# Altium PCB Wall_Following_Robot_PCB.PcbDoc (part 2 of 2)
Units mm, origin at the board's own origin, x right, y up, seen from the top; angles counter-clockwise.
Board outline 197.92 x 110 mm, 2 copper layers (Top Layer, Bottom Layer); 215 components, 150 nets, 648 pads, 191 vias.
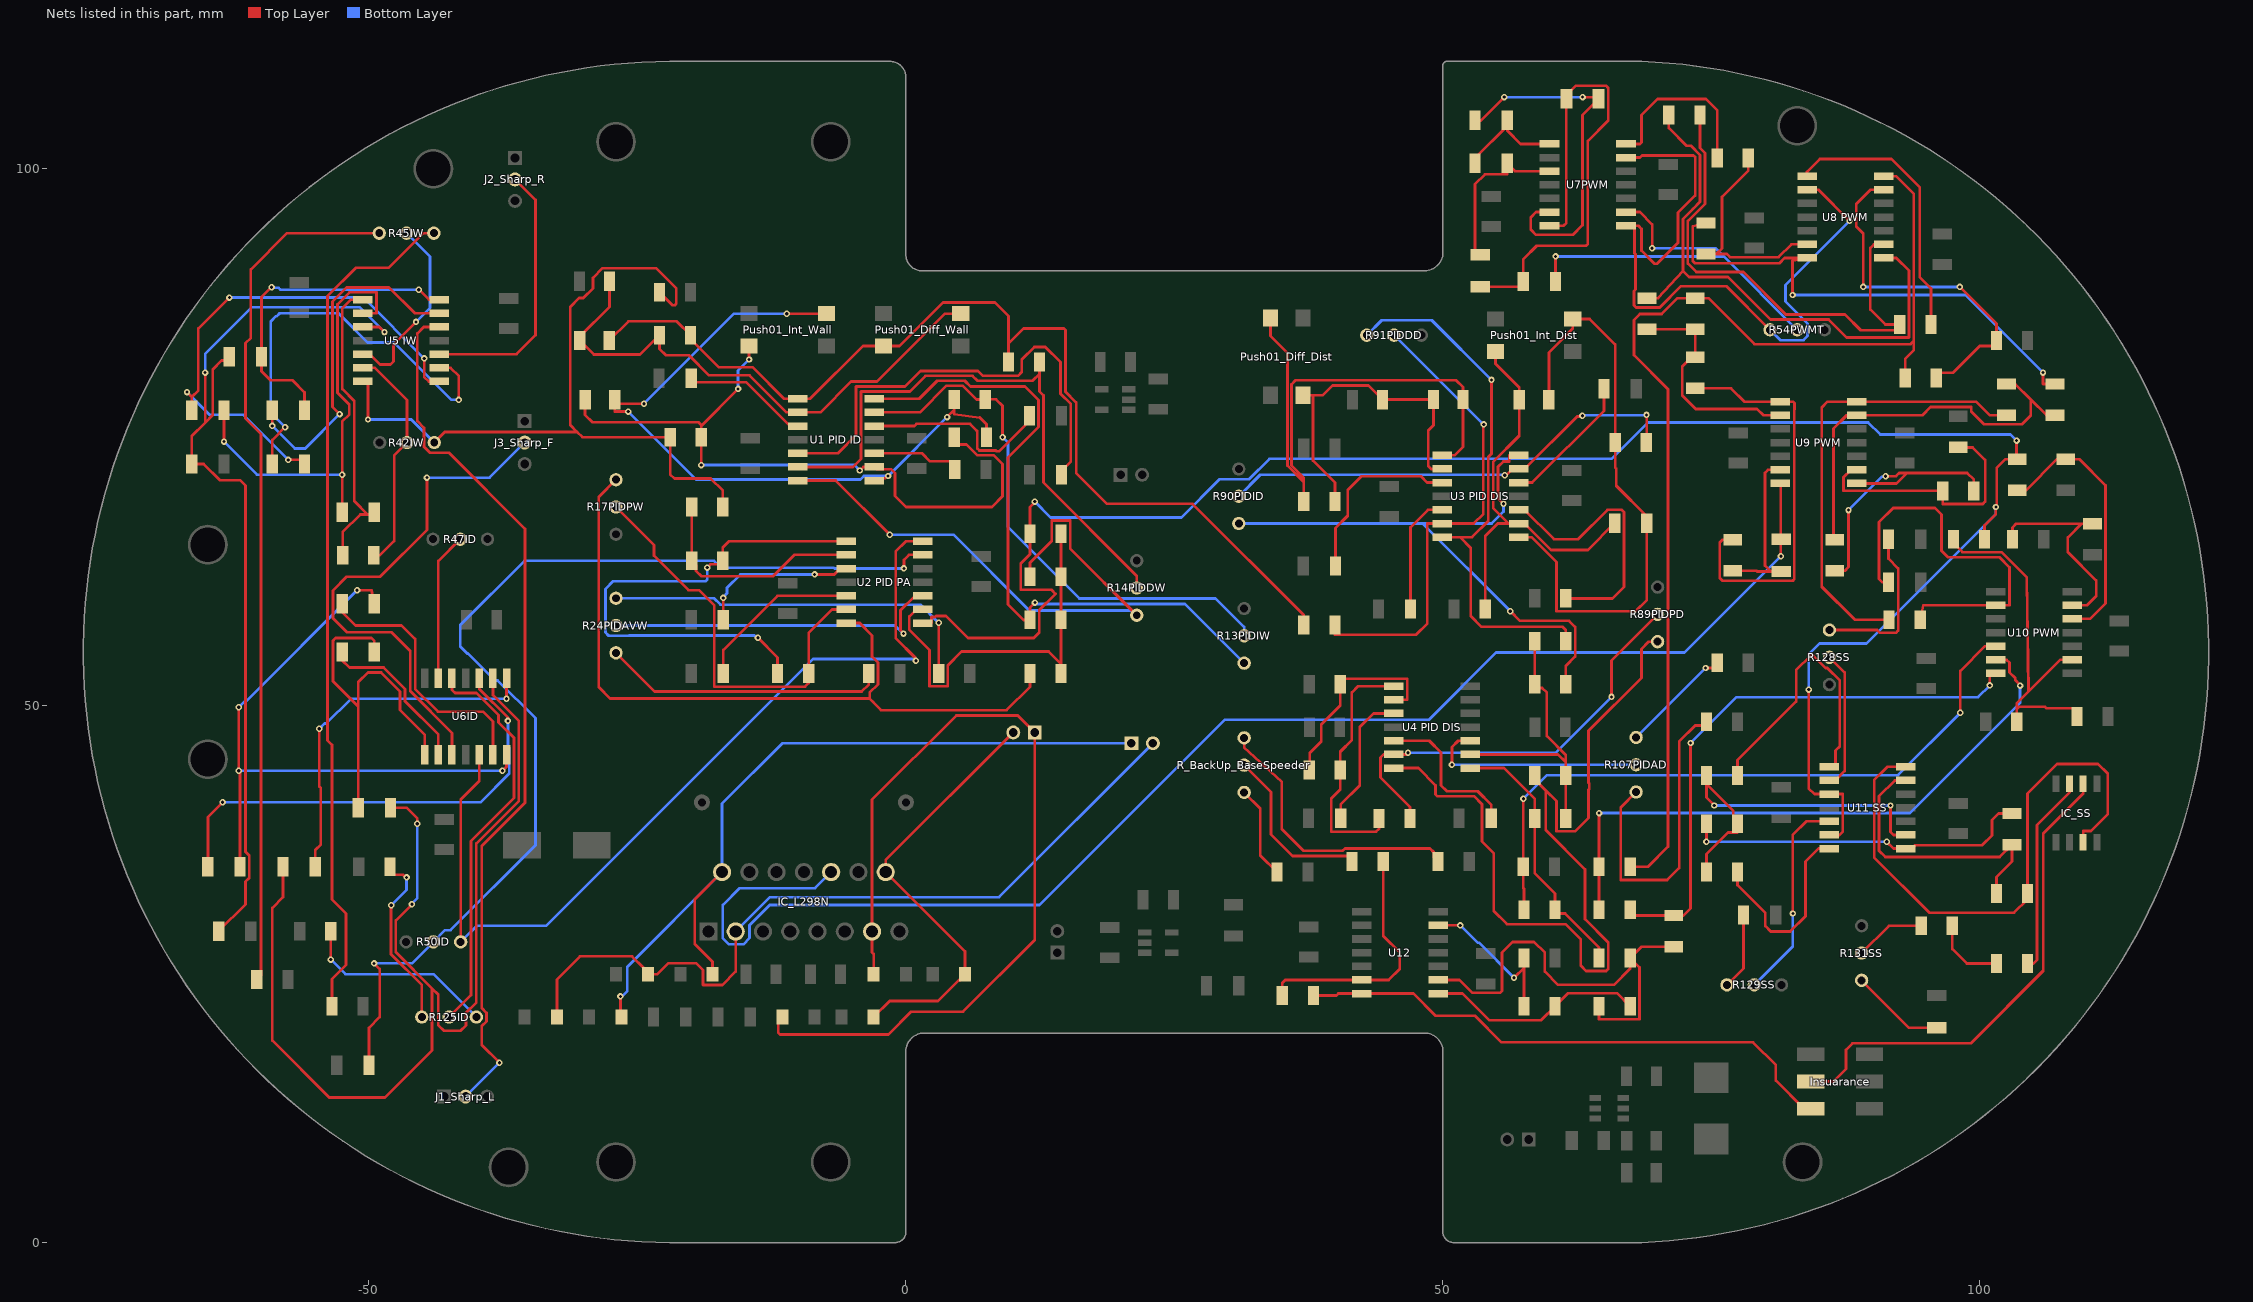
[diagram p2: the nets of this part, all layers, seen from the top]

## Via types
v1: diameter 0.6, hole 0.3, Top Layer to Bottom Layer, 191 vias

## Nets (pads, with @x,y where several pads share a name; then routed paths per layer and width w, separated by ;. In a path a pad name is that pad's centre, name@x,y a point inside that pad or via, vN(x,y) a via of type N, cw(c..) or ccw(c..) an arc to the next point about the centre after c; other vN are vias at no path point) (continued)
NetR01_BackUp_2: R01_BackUp.2 R_BackUp_BaseSpeeder.1 | length 26.3
  Top Layer w0.254: R_BackUp_BaseSpeeder.1@31.5,47 31.5,46.115 35,42.922 35,38.5 37,36.5 40.683,36.5 40.888,36.705 48.798,36.705 49.152,36.351 49.152,35.898 R01_BackUp.2@49.55,35.5
NetR2_BackUp_1: R2_BackUp.1 R_BackUp_BaseSpeeder.3 | length 8.7
  Top Layer w0.254: R_BackUp_BaseSpeeder.3@31.5,41.92 33,40.42 33,36.05 R2_BackUp.1@34.55,34.5
NetR03_BackUP_1: R03_BackUP.1 R_BackUp_BaseSpeeder.2 | length 16.1
  Top Layer w0.254: R_BackUp_BaseSpeeder.2@31.5,44.46 34,41.96 34,38 36,36 41.152,36 41.55,35.602 R03_BackUP.1@41.55,35.5
NetR23PIDAW_2: R23PIDAW.2 R24PIDAVW.1 | length 26.3
  Top Layer w0.254: R24PIDAVW.1@-27,54.92 -23.393,51.313 -4.119,51.313 -3.45,51.982 R23PIDAW.2@-3.45,53
NetR24PIDAVW_3: R24PIDAVW.3 R24PIDAW.1 | length 35.7
  Top Layer w0.254: R24PIDAW.1@3.05,53 v1(3.05,57.722)
  Bottom Layer w0.254: R24PIDAVW.3@-27,60 -17.86,60 -17.261,59.401 1.371,59.401 v1(3.05,57.722)
NetR035SS_1: R035SS.1 R131SS.2 | length 6.6
  Top Layer w0.254: R131SS.2@89,26.96 91.54,29.5 R035SS.1@94.55,29.5
NetR43IW_2: R43IW.2 R45IW.1 | length 80.5
  Top Layer w0.254: R43IW.2@-60.45,24.5 -60.052,24.898 -60.052,75.302 -61.5,76.75 -61.5,83.754 -61,84.254 -61,90.63 -57.63,94 R45IW.1@-49.04,94
NetR44IW_1: R44IW.1 R45IW.3 | length 79.7
  Top Layer w0.254: R44IW.1@-53.45,22 -53.45,24.55 -52.148,25.852 -52.148,30.648 -53.45,31.95 -53.45,46.352 -53.852,46.754 -53.852,88.148 -51.232,90.768 -48.168,90.768 -44.936,94 R45IW.3@-43.96,94
NetR105PIDAD_2: R105PIDAD.2 R107PIDAD.1 | length 30
  Top Layer w0.254: R107PIDAD.1@68,41.96 66.57,40.53 66.57,33.77 70.888,33.77 72.006,34.888 72.006,46.648 73.504,48.147 74.55,48.147 R105PIDAD.2@74.55,48.5
NetR106PIDAD_1: R106PIDAD.1 R107PIDAD.3 | length 10.7
  Top Layer w0.254: v1(74.466,53.506) 75.55,53.506 R106PIDAD.1@75.55,54
  Bottom Layer w0.254: R107PIDAD.3@68,47.04 v1(74.466,53.506)
NetR123ID_2: R123ID.2 R125ID.1 | length 18.4
  Top Layer w0.254: v1(-53.55,26.353) R123ID.2@-53.55,29
  Bottom Layer w0.254: v1(-53.55,26.353) -52.197,25 -44,25 R125ID.1@-40,21
NetR124ID_1: R124ID.1 R125ID.3 | length 16.9
  Top Layer w0.254: R124ID.1@-48,35 -48,34.6 -47.652,34.252 -46.846,34.252 -46.594,34 v1(-46.5,34) ; v1(-47.92,31.42) -47.959,31.381 -47.959,26.85 -45.08,23.971 R125ID.3@-45.08,21
  Bottom Layer w0.254: v1(-47.92,31.42) -46.5,32.839 v1(-46.5,34)
NetR126SS_2: R126SS.2 R129SS.1 | length 7.1
  Top Layer w0.254: R129SS.1@76.46,24 78,25.54 R126SS.2@78,30.5
NetR127SS_1: R127SS.1 R128SS.1 | length 15.5
  Top Layer w0.254: R128SS.1@86,57.04 90.443,57.04 90.7,56.783 92.2,56.783 92.405,56.988 92.405,62.786 91.5,63.691 R127SS.1@91.5,65.5
NetR130SS_2: R130SS.2 R131SS.3 | length 8.8
  Top Layer w0.254: R131SS.3@89,24.42 93.42,20 R130SS.2@96,20
Output_Left_+: D5.1 D8.2 IC_L298N.2 J4_L_Motor.1 | length 75.6
  Top Layer w0.254: v1(-26.58,22.92) -26.58,21.08 D8.2@-26.5,21 ; D5.1@-18,25 -18,26.15 -19.663,27.813 -19.663,31.957 IC_L298N.2@-17.12,34.5
  Bottom Layer w0.254: v1(-26.58,22.92) -26.487,22.92 -26.406,23 -26.356,23 -25.937,23.419 -25.937,25.683 IC_L298N.2@-17.12,34.5 -17.12,40.88 -11.5,46.5 J4_L_Motor.1@21,46.5
Output_Left_-: D6.1 D7.2 IC_L298N.3 J4_L_Motor.2 | length 74.5
  Top Layer w0.254: D6.1@-32.5,21 -32.5,24.5 -30.342,26.658 -25.505,26.658 -24.413,25.566 -24.413,25 D7.2@-24,25 -23.143,25 -22.12,26.023 -19.536,26.023 -18.89,25.377 -18.89,23.986 -18.889,23.985 -17.098,23.985 -15.85,25.232 IC_L298N.3@-15.85,28.97
  Bottom Layer w0.254: IC_L298N.3@-15.85,28.97 -12.65,32.17 8.67,32.17 J4_L_Motor.2@23,46.5
Output_Right_+: D1.1 D4.2 IC_L298N.13 J4_R_Motor.1 | length 83.9
  Top Layer w0.254: D4.2@-11.5,21 -11.88,20.62 -11.88,19.529 -11.732,19.38 -1.62,19.38 0.5,21.5 5.329,21.5 12,28.171 J4_R_Motor.1@12,47.5 10.414,49.086 4.696,49.086 -3.15,41.241 IC_L298N.13@-3.15,28.97 -3.15,27.037 -3,26.887 D1.1@-3,25
Output_Right_-: D2.1 D3.2 IC_L298N.14 J4_R_Motor.2 | length 40.7
  Top Layer w0.254: D2.1@-3,21 -1.5,22.5 3,22.5 4.942,24.442 5.067,24.442 5.5,24.875 5.5,27.12 IC_L298N.14@-1.88,34.5 -1.88,35.62 J4_R_Motor.2@10,47.5
"PWM L UNCLAMPED": "U8 PWM.7" R010PWMCL.1 R59PWMC.2 | length 48.5
  Top Layer w0.254: R59PWMC.2@74.5,94.95 73.276,94.654 73.276,91.407 73.488,91.195 81.341,91.195 81.837,91.69 83.938,91.69 82.572,91.436 v1(82.572,88.243) ; v1(105.889,81.014) 105.889,79.95 R010PWMCL.1@107,79.95
  Bottom Layer w0.254: v1(82.572,88.243) 98.661,88.243 v1(105.889,81.014)
"PWM R UNCLAMPED": "U8 PWM.8" R012PWMCL.1 R79PWMC.2 | length 53.8
  Top Layer w0.254: R012PWMCL.1@69,87.95 70.05,87.95 72.361,90.476 ; R79PWMC.2@71.05,105 71.05,103.788 72.697,102.141 73.097,102.141 73.957,101.281 73.957,96.921 73.299,96.262 72.361,95.325 72.361,90.476 ; 91.062,91.69 92.224,91.69 93.405,90.509 93.405,84.291 87.606,84.291 85.93,85.967 80.515,85.967 76.565,89.917 72.92,89.917 72.361,90.476
"R WHEEL OP": "U9 PWM.7" IC_L298N.10 R29PWMCL.2 | length 135.7
  Top Layer w0.254: 81.438,70.69 81.48,70.69 R29PWMCL.2@81.48,65.5 ; v1(81.48,63.92) R29PWMCL.2@81.48,65.5 ; R29PWMCL.2@81.5,65.5 R29PWMCL.2@81.48,65.5
  Bottom Layer w0.254: IC_L298N.10@-6.96,34.5 -8.452,33.008 -15.472,33.008 -17.047,31.433 -17.047,28.335 -16.488,27.776 -15.142,27.776 -14.558,28.36 -14.558,29.554 -12.678,31.433 12.433,31.433 29.68,48.68 48.688,48.68 54.962,54.954 72.514,54.954 v1(81.48,63.92)
Switching_BaseSpeed: IC_SS.2 Insuarance.4 | length 45.9
  Top Layer w0.254: Insuarance.4@84.27,15 86.382,15 87.55,16.168 87.55,17.946 88.16,18.556 99.158,18.556 105.915,25.312 105.915,38.088 109.635,41.809 IC_SS.2@109.635,42.712
"U1 PID 1IN+": "U1 PID ID.3" R5PIDDW.2 | length 12
  Top Layer w0.254: R5PIDDW.2@-20,80.5 -20,80.125 -14.896,80.125 -10.812,76.041 -10.062,76.041
"U1 PID 1IN-": "U1 PID ID.2" C1PIDDW.2 C2PIDDW.1 Push01_Diff_Wall.1 R2PIDDW.1 | length 50.9
  Top Layer w0.254: C1PIDDW.2@-27.6,89.5 -27.6,87.137 -30.37,84.367 C2PIDDW.1@-30.37,84 -29.061,82.691 -24.759,82.691 R2PIDDW.1@-22.95,84.5 -22.95,83.224 -22.366,82.64 -20.222,82.64 -18.342,80.76 -14.558,80.76 -11.108,77.311 -10.062,77.311 -7.96,77.311 -5.095,80.175 -2.696,80.175 3.629,86.5 Push01_Diff_Wall.1@5.1,86.5
"U1 PID 1OUT": "U1 PID ID.1" C2PIDDW.2 Push01_Diff_Wall.4 R2PIDDW.2 R10PIDDW.1 R86PIDDD.1 | length 96.9
  Top Layer w0.254: C2PIDDW.2@-27.63,84 -25.841,85.789 -21.339,85.789 R2PIDDW.2@-20.05,84.5 -20.05,84.138 -17.434,81.522 -14.304,81.522 -11.362,78.581 -10.062,78.581 -8.914,78.581 -3.995,83.5 Push01_Diff_Wall.4@-2.1,83.5 -0.588,83.5 3.454,87.542 8.28,87.542 9.55,86.272 9.55,83.735 ; R10PIDDW.1@9.55,82 9.55,83.735 ; R86PIDDD.1@37.05,57.5 37.05,58.439 26.692,68.797 18.716,68.797 15.852,71.661 15.852,78.232 14.852,79.232 14.852,84.98 14.704,85.129 10.944,85.129 9.55,83.735
"U1 PID 2IN+": "U1 PID ID.5" R18PIDDW.2 | length 44.1
  Top Layer w0.254: -10.062,73.501 -6.328,73.501 -4.638,75.191 -4.638,79.718 -0.096,79.718 1.352,81.167 6.713,81.167 7.169,80.71 10.436,80.71 10.792,81.066 10.792,82.233 11.96,83.402 12.976,83.402 14.395,81.983 14.395,79.042 15.355,78.082 15.355,72.73 14.5,71.875 R18PIDDW.2@14.5,71.5
"U1 PID 2IN-": "U1 PID ID.6" R10PIDDW.2 R14PIDDW.2 | length 54.9
  Top Layer w0.254: -10.062,72.231 -4.926,72.231 -4.181,72.976 -4.181,79.261 0.376,79.261 1.825,80.709 6.204,80.709 6.661,80.252 11.808,80.252 12.45,80.895 ; R10PIDDW.2@12.45,82 12.45,80.895 ; R14PIDDW.2@21.5,60.96 21.5,62.082 12.812,70.77 12.812,78.896 12.45,79.259 12.45,80.895
"U1 PID 2OUT": "U1 PID ID.7" R14PIDDW.1 R33PIDAW.1 | length 56
  Top Layer w0.254: -10.062,70.961 -6.542,70.961 v1(-1.5,65.919) ; R33PIDAW.1@11.55,62 11.55,63.307 13.586,65.342 13.586,67.247 15.313,67.247 15.313,64.607 R14PIDDW.1@21.5,58.42
  Bottom Layer w0.254: v1(-1.5,65.919) 4.434,65.919 11.487,58.865 21.055,58.865 R14PIDDW.1@21.5,58.42
"U1 PID 3IN+": "U1 PID ID.10" R6PIDIW.2 | length 8.3
  Top Layer w0.254: -2.938,73.501 1.486,73.501 2.239,72.748 4.152,72.748 4.55,72.35 R6PIDIW.2@4.55,72
"U1 PID 3IN-": "U1 PID ID.9" C4PIDIW.1 Push01_Int_Wall.1 R3PIDIW.2 R4PIDIW.1 | length 65.9
  Top Layer w0.254: C4PIDIW.1@-29.88,78.5 -29.88,77.083 -29.188,76.391 -19.329,76.391 -19.05,76.112 -19.05,76.065 ; v1(-19.05,72.404) R3PIDIW.2@-19.05,75 -19.05,76.065 ; v1(-15.624,79.49) -19.05,76.065 ; v1(-14.6,82.233) Push01_Int_Wall.1@-14.6,83.5 ; v1(-4.296,71.896) -3.961,72.231 -2.938,72.231 -2.725,72.018 -1.393,72.018 -1.024,71.649 -1.024,69.524 0,68.5 8,68.5 9,69.5 9,72.5 8.187,73.313 6.649,73.313 5.637,74.324 4.898,74.324 4.5,74.722 R4PIDIW.1@4.5,75
  Bottom Layer w0.254: v1(-19.05,72.404) -4.804,72.404 v1(-4.296,71.896) ; v1(-15.624,79.49) -15.624,81.209 v1(-14.6,82.233)
"U1 PID 3OUT": "U1 PID ID.8" C4PIDIW.2 Push01_Int_Wall.4 R4PIDIW.2 R11PIDIW.1 | length 68.6
  Top Layer w0.254: C4PIDIW.2@-27.12,78.5 C4PIDIW.2@-27.12,78.119 ; v1(-25.861,77.382) -27.12,77.382 C4PIDIW.2@-27.12,78.119 ; v1(-24.387,78.119) C4PIDIW.2@-27.12,78.119 ; v1(-11.103,86.501) Push01_Int_Wall.4@-7.4,86.5 ; -2.938,70.961 -2.715,71.184 -1.952,71.184 -1.748,71.388 v1(-1.654,71.388) ; v1(3.832,76.874) 4.5,77.542 ; R11PIDIW.1@4.5,78.5 4.5,77.542 ; R4PIDIW.2@7.5,75 7.5,76.203 6.88,76.823 4.5,77.128 4.5,77.542
  Bottom Layer w0.254: v1(-25.861,77.382) -19.536,71.057 -4.243,71.057 -3.913,71.388 v1(-1.654,71.388) ; v1(-24.387,78.119) -16.005,86.501 v1(-11.103,86.501) ; v1@-1.633,71.367 -1.633,71.409 v1(3.832,76.874)
"U1 PID 4IN+": "U1 PID ID.12" R16PIDIW.1 | length 18.2
  Top Layer w0.254: -2.938,76.041 0.784,76.041 0.982,76.239 5.966,76.239 6.616,75.589 6.616,75.531 6.645,75.502 6.645,73.963 6.838,73.77 8.377,73.77 8.448,73.699 8.699,73.699 11.102,76.102 11.102,76.602 R16PIDIW.1@11.5,77
"U1 PID 4IN-": "U1 PID ID.13" R11PIDIW.2 R13PIDIW.2 | length 52
  Top Layer w0.254: -2.938,77.311 1.316,77.311 3.8,79.795 5.28,79.795 6.575,78.5 R11PIDIW.2@7.4,78.5 7.4,78.525 8.404,78.525 9,77.929 v1(9,75)
  Bottom Layer w0.254: v1(9,75) 9.5,74.5 9.5,66.634 16.151,59.983 28.833,59.983 31.5,57.316 R13PIDIW.2@31.5,56.5
"U1 PID 4OUT": "U1 PID ID.14" R13PIDIW.1 R32PIDAW.1 | length 63.2
  Top Layer w0.254: -2.938,78.581 1.246,78.581 2.918,80.252 5.483,80.252 6.016,79.719 11.085,79.719 12.355,78.449 12.355,76.355 12.355,75.963 9.5,73.108 9.5,59.42 10.944,57.976 11.55,57.976 R32PIDAW.1@11.55,58 11.55,59.141 v1(12.011,59.602)
  Bottom Layer w0.254: v1(12.011,59.602) 12.138,59.475 25.985,59.475 R13PIDIW.1@31.5,53.96
"U2 INS AMP DIS 4IN-": "U2 PID PA.13" R48ID.2 R50ID.2 | length 100.1
  Top Layer w0.254: R48ID.2@-50,16.5 -50,20 -49,21 -49,25.482 v1(-49.518,26) ; v1(-0.181,62.777) -0.181,63.583 0.276,64.04 1.562,64.04
  Bottom Layer w0.254: v1(-49.518,26) -46,26 R50ID.2@-44,28 -42.91,29.09 -42.41,29.09 -34.5,37 -34.5,48.837 -38.013,52.35 -38.273,52.35 -40.775,54.852 -40.847,54.852 -41.5,55.506 -41.5,57.5 -35.517,63.483 -17.854,63.483 -17.221,62.851 -6.727,62.851 -6.653,62.777 v1(-0.181,62.777)
"U2 INS AMP DIS 4OUT": "U2 PID PA.14" R50ID.1 U6ID.5 | length 85.4
  Top Layer w0.254: R50ID.1@-41.46,28 -41.46,41.234 -39.73,42.964 U6ID.5@-39.73,45.438 ; v1(0.936,54.179) 0.87,54.246 0.87,54.461 -0.957,56.289 -0.957,64.336 0.017,65.31 1.562,65.31
  Bottom Layer w0.254: R50ID.1@-41.46,28 -39.96,29.5 -33.5,29.5 -8.648,54.352 0.67,54.352 0.843,54.179 v1(0.936,54.179)
"U2 PID 1IN+": "U2 PID PA.3" R9PIDPW.2 | length 15
  Top Layer w0.254: R9PIDPW.2@-17,58 v1(-17,60.032) ; v1(-8.5,62.221) -6.674,62.221 -6.124,62.77 -5.562,62.77
  Bottom Layer w0.254: v1(-17,60.032) -17,60.125 -16.659,60.467 -16.659,60.981 -15.419,62.221 v1(-8.5,62.221)
"U2 PID 1IN-": "U2 PID PA.2" R7PIDPW.2 R8PIDPW.1 | length 21.1
  Top Layer w0.254: R7PIDPW.2@-19.95,68.5 R8PIDPW.1@-19.95,63.5 -19.552,63.102 -19.552,62.552 -19.048,62.048 -12.391,62.048 -10.399,64.04 -5.562,64.04
"U2 PID 1OUT": "U2 PID PA.1" R8PIDPW.2 R12PIDPW.1 | length 48.4
  Top Layer w0.254: v1(-18.495,62.853) -18.19,63.158 -17.05,63.158 R8PIDPW.2@-17.05,63.5 -17.05,64.748 -16.488,65.31 -5.562,65.31 ; v1(-13.779,56.321) -11.95,54.491 R12PIDPW.1@-11.95,53
  Bottom Layer w0.254: v1(-18.495,62.853) -18.495,61.761 -18.672,61.583 -27.258,61.583 -27.969,60.872 -27.969,56.808 -27.671,56.51 -25.787,56.51 -25.756,56.541 -14.094,56.541 -13.873,56.321 v1(-13.779,56.321)
"U2 PID 2IN+": "U2 PID PA.5" R15PIDPW.1 | length 15.7
  Top Layer w0.254: R15PIDPW.1@-17,53 -17,55.182 -11.952,60.23 -5.562,60.23
"U2 PID 2IN-": "U2 PID PA.6" R12PIDPW.2 R17PIDPW.2 | length 39.1
  Top Layer w0.254: R17PIDPW.2@-27,68.5 -23.467,64.967 -23.467,63.963 -20.256,60.752 -19.252,60.752 -17.855,59.355 -17.855,51.77 -9.376,51.77 -9.05,52.096 R12PIDPW.2@-9.05,53 -9.05,56.778 -6.868,58.96 -5.562,58.96
"U2 PID 2OUT": "U2 PID PA.7" R17PIDPW.1 R34PIDAW.1 | length 72.5
  Top Layer w0.254: R17PIDPW.1@-27,71.04 -28.604,69.436 -28.604,51.728 -27.537,50.661 -3.378,50.661 ; -5.562,57.69 -4.296,57.69 -3.148,56.542 -3.148,54.565 -2.595,54.012 -2.595,51.988 -3.378,51.205 -3.378,50.661 ; R34PIDAW.1@11.55,53 11.55,51.753 9.379,49.582 -2.318,49.582 -3.07,50.334 -3.07,50.353 -3.378,50.661
"U2 PID 3IN+": "U2 PID PA.10" R24PIDAVW.2 | length 32
  Top Layer w0.254: v1(-0.222,56.706) -0.222,56.75 -0.5,57.028 -0.5,58.884 0.846,60.23 1.562,60.23
  Bottom Layer w0.254: R24PIDAVW.2@-27,57.46 -1.036,57.46 -0.283,56.706 v1(-0.222,56.706)
"U2 PID 3IN-": "U2 PID PA.9" R32PIDAW.2 R33PIDAW.2 R34PIDAW.2 R35PIDAW.1 | length 37
  Top Layer w0.254: 1.562,58.96 0.987,58.96 0.319,58.292 0.319,57.056 2.195,55.181 2.195,51.795 3.905,51.795 3.905,53.76 5.189,55.043 13.293,55.043 14.45,53.886 ; R34PIDAW.2@14.45,53 14.45,53.886 ; R35PIDAW.1@14.45,66 R33PIDAW.2@14.45,62 R32PIDAW.2@14.45,58 14.45,53.886
"U2 PID 3OUT (Wall Error)": "R04 ADDER.1" "R08 SUBST.1" "U2 PID PA.8" "U11 SS.3" "U11 SS.6" R35PIDAW.2 | length 180.7
  Top Layer w0.254: 1.562,57.69 2.384,57.69 2.384,58.256 2.714,58.256 2.816,58.357 3.73,58.357 5.788,56.3 11.909,56.3 12.417,56.808 12.417,58.891 13.941,60.415 13.561,60.795 10.695,60.795 10.695,63.243 11.55,64.098 11.55,68.487 12,68.937 v1(12,69) ; v1(84.071,51.499) 84.071,42.303 84.604,41.77 86,41.77 87.246,41.77 87.246,38.266 86.94,37.96 86,37.96 ; 100.45,65.5 100.45,66.787 101.482,67.819 101.482,68.482 v1(101.5,68.5) ; v1@101.571,68.429 101.571,72.137 102.384,72.95 103.5,72.95 103.425,73.025 v1(103.425,74.679)
  Bottom Layer w0.254: v1(12,69) 13.473,67.527 25.651,67.527 29.207,71.083 31.936,71.083 33.841,72.988 65.706,72.988 69.088,76.37 89.609,76.37 90.739,75.24 102.865,75.24 v1(103.425,74.679) ; v1(84.071,51.499) 84.071,54.776 85.087,55.792 89.455,55.792 101.482,67.819 101.482,68.482 v1(101.5,68.5)
"U3 PID DIS 1IN+": "U3 PID DIS.3" R109PIDDD.2 | length 17.1
  Top Layer w0.254: R109PIDDD.2@40,63 40,66.536 41.145,67.681 41.145,70.067 42.44,71.362 47.952,71.362 48.544,70.77 49.938,70.77
"U3 PID DIS 1IN-": "U3 PID DIS.2" C3PIDDD.2 C6PIDDD.1 Push01_Diff_Dist.1 R64PIDDD.1 | length 31.6
  Top Layer w0.254: Push01_Diff_Dist.1@36.961,78.9 37.919,78.9 ; R64PIDDD.1@39.95,69 39.95,70.779 37.919,72.81 37.919,78.9 ; 49.938,72.04 48.908,72.04 48.646,72.302 48.646,75.628 49.13,76.112 C6PIDDD.1@49.13,78.5 C3PIDDD.2@44.4,78.5 43.08,79.82 39.722,79.82 38.802,78.9 37.919,78.9
"U3 PID DIS 1OUT": "U3 PID DIS.1" C6PIDDD.2 Push01_Diff_Dist.4 R64PIDDD.2 | length 52.2
  Top Layer w0.254: Push01_Diff_Dist.4@33.961,86.1 33.961,84.413 35.531,82.843 35.531,72.348 37.05,70.829 ; R64PIDDD.2@37.05,69 37.05,70.829 ; 49.938,73.31 51.1,73.31 51.87,74.08 C6PIDDD.2@51.87,78.5 51.87,79.668 51.235,80.303 36.293,80.303 35.912,79.922 35.912,72.353 37.05,71.215 37.05,70.829
"U3 PID DIS 2IN+": "U3 PID DIS.5" R31PIDDD.1 | length 11.2
  Top Layer w0.254: R31PIDDD.1@47,59 47,66.6 48.63,68.23 49.938,68.23
"U3 PID DIS 2IN-": "U3 PID DIS.6" R86PIDDD.2 R91PIDDD.2 | length 45
  Top Layer w0.254: R86PIDDD.2@39.95,57.5 39.95,56.605 47.52,56.605 48.561,57.646 48.561,66.96 49.938,66.96 52.871,66.96 53.773,67.862 53.773,76.139 v1(53.821,76.187)
  Bottom Layer w0.254: R91PIDDD.2@45.46,84.5 53.773,76.187 v1(53.821,76.187)
"U3 PID DIS 2OUT": "U3 PID DIS.7" R91PIDDD.1 R93PIDAD.1 | length 50.9
  Top Layer w0.254: 49.938,65.69 51.584,65.69 ; v1(54.53,80.328) 54.53,73.461 54.23,73.161 54.23,67.201 52.719,65.69 51.584,65.69 ; R93PIDAD.1@61.45,56 61.45,57.062 61.171,57.341 53.616,57.341 52.6,58.357 52.6,64.674 51.584,65.69
  Bottom Layer w0.254: R91PIDDD.1@42.92,84.5 44.311,85.891 48.968,85.891 v1(54.53,80.328)
"U3 PID DIS 3IN+": "U3 PID DIS.10" R82PIDID.2 | length 25
  Top Layer w0.254: 57.062,68.23 57.625,68.23 60.355,65.5 62.608,65.5 65.338,68.23 66.662,68.23 66.875,68.017 66.875,61.05 65.808,59.983 61.45,59.983 R82PIDID.2@61.45,60
"U3 PID DIS 3IN-": "U3 PID DIS.9" C5PIDID.1 Push01_Int_Dist.1 R80PIDID.2 R81PIDID.1 | length 39.9
  Top Layer w0.254: R80PIDID.2@53.95,59 53.95,65.795 55.115,66.96 56.129,66.96 ; Push01_Int_Dist.1@54.9,83 54.9,81.837 57.12,79.617 C5PIDID.1@57.12,78.5 57.12,75.136 54.688,72.704 54.688,68.402 56.129,66.96 ; R81PIDID.1@66,67 63.5,64.5 60.085,64.5 57.625,66.96 56.129,66.96
"U3 PID DIS 3OUT": "U3 PID DIS.8" C5PIDID.2 Push01_Int_Dist.4 R81PIDID.2 R87PIDID.1 | length 56.3
  Top Layer w0.254: 57.062,65.69 58.248,65.69 60.576,63.362 60.576,58.789 67.933,58.789 69,59.856 R81PIDID.2@69,67 69,67.628 66.148,70.481 66.148,72.068 66.05,72.165 66.05,83.624 63.674,86 Push01_Int_Dist.4@62.1,86 62.1,85.104 59.88,82.884 C5PIDID.2@59.88,78.5
"U3 PID DIS 4IN+": "U3 PID DIS.12" R28PIDID.1 | length 12.8
  Top Layer w0.254: 57.062,70.77 58.315,70.77 65,77.455 R28PIDID.1@65,79.5
"U3 PID DIS 4IN-": "U3 PID DIS.13" R87PIDID.2 R90PIDID.2 | length 43.7
  Top Layer w0.254: v1(55.775,71.456) 55.841,71.522 55.982,71.522 56.5,72.04 57.062,72.04 57.625,72.04 62.518,76.934 62.934,76.934 v1(63,77) ; v1(68.966,77.077) 69,77.044 R87PIDID.2@69,74.5
  Bottom Layer w0.254: R90PIDID.2@31,69.5 33,71.5 55.731,71.5 v1(55.775,71.456) ; v1(63,77) 63.039,77.039 68.927,77.039 v1(68.966,77.077)